# Allegro board reServer industrial J401 Carrier Board v11.brd (continued)
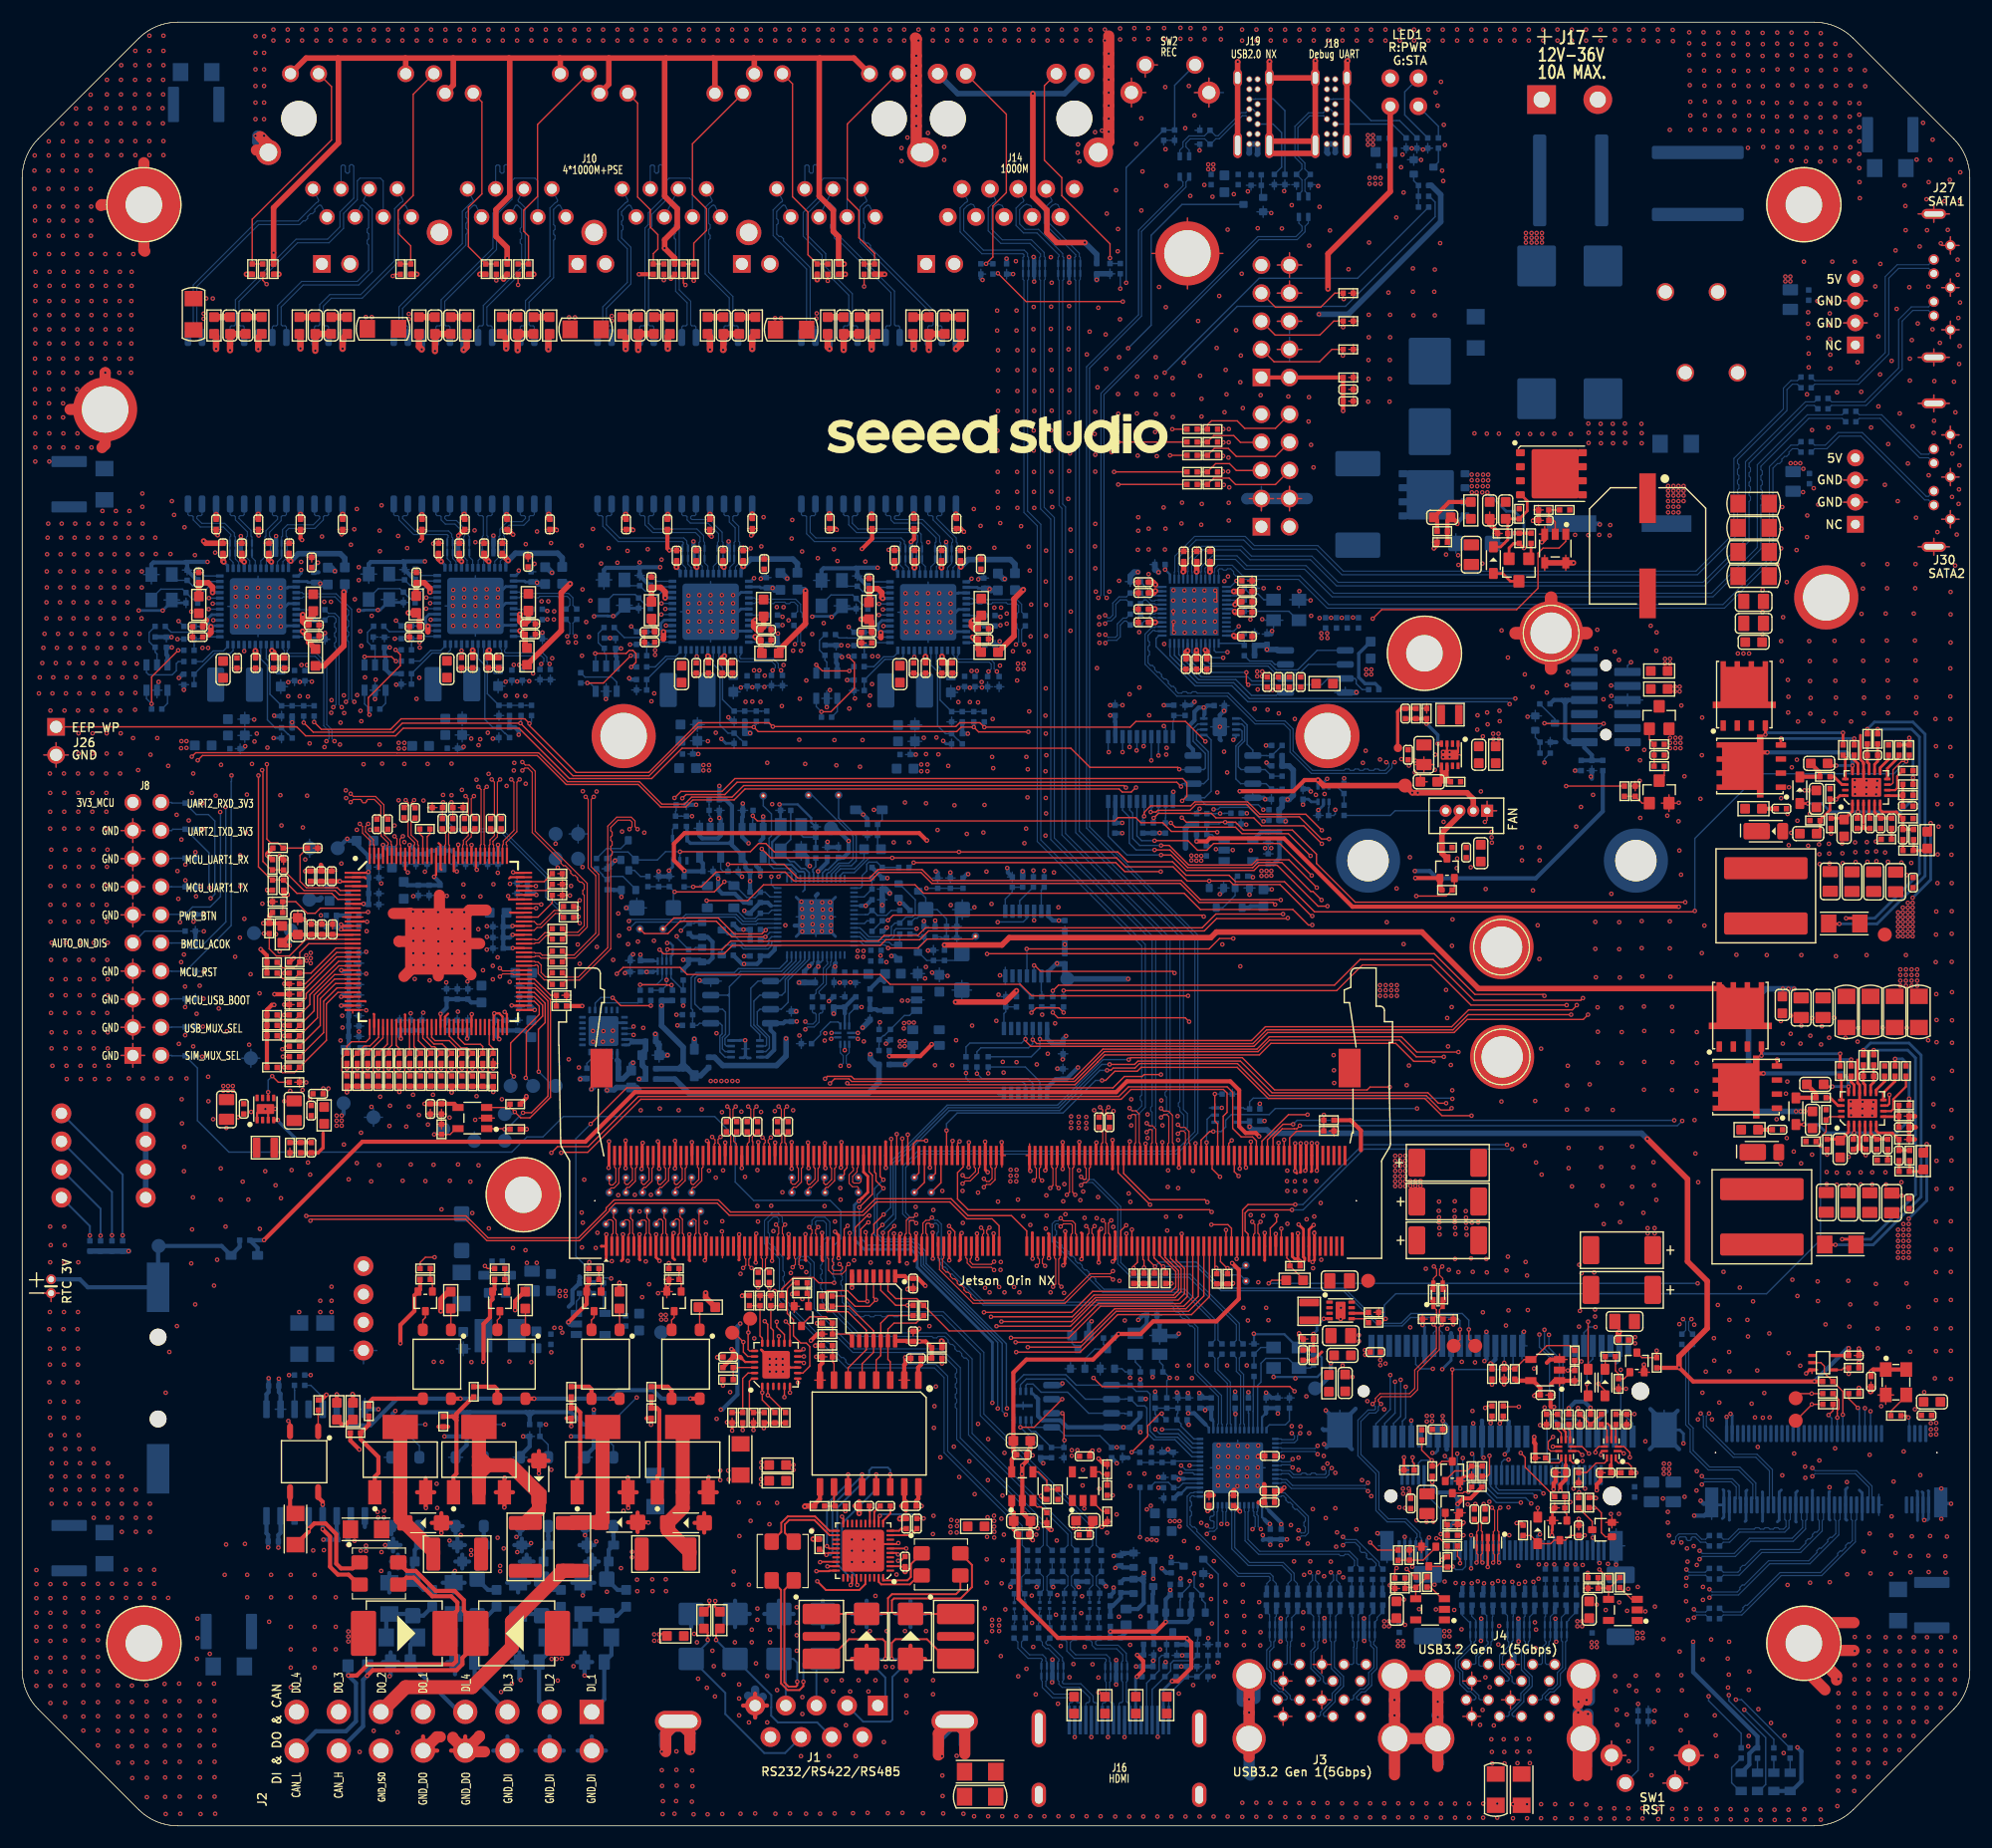
[diagram p0: board, top side]
## Routing (per net, layer and track width the routed paths; a pad name or vN(x,y) marks a point on that pad's centre or on a via; arc(x,y) is an arc through that point) (continued)
VDD_DCIN: length 129.9
  TOP w0.508: Q16.5 153.58,75.8 153.46,75.67 131.59,75.67 126.48,80.77 107.92,80.77 107.41,80.27 89.2,80.27 88.53,79.6 v1(83.35,79.6)
  LAY3 w0.508: v1(83.35,79.6) 83.26,79.69 81.43,79.69 78.73,76.99 64.43,76.99 57.48,83.94 v1(54.15,83.94)
  BOTTOM w0.381: v1(54.15,83.94) Q8.2 53.46,84.57 53.43,84.6 R123.2 ; R144.1 v1(83.35,79.6)
  BOTTOM w0.508: v1(160.11,75.64) v1(159.61,75.64) v1(159.1,75.64) 157.57,75.64 156,74.07 156,65.2 156.63,64.57 v1(160.29,64.57) v1(160.7,64.57) v1(161.1,64.57)
  vias: v1(148.73,121.08) v1(148.73,120.65) v1(148.73,120.22) v1(148.73,119.71) v1(148.73,119.2) v1(148.73,118.7) v1(149.22,121.08) v1(149.22,120.65) v1(149.22,120.22) v1(149.22,119.71) v1(149.22,119.2) v1(149.22,118.7) v1(149.67,121.08) v1(149.67,120.65) v1(149.67,120.22) v1(149.67,119.71) v1(149.67,119.2) v1(149.67,118.7) v1(150.13,121.08) v1(150.13,120.65) v1(150.13,120.22) v1(150.13,119.71) v1(155.03,105.95) v1(155.54,105.95) v1(156.05,105.95) v1(160.65,93.58) v1(161.05,93.58) v1(161.46,93.58) v1(169.71,77.4) v1(169.71,76.89) v1(169.71,76.38) v1(169.71,75.92) v1(170.22,77.4) v1(170.22,76.89) v1(170.22,76.38) v1(170.22,75.92) v1(170.73,77.4) v1(170.73,76.89) v1(170.73,76.38) v1(170.73,75.92) v1(171.24,77.4) v1(171.24,76.89) v1(171.24,76.38) v1(171.24,75.92)
VDD_DO: length 38
  TOP w0.381: Q34.4 v1(60.39,38.61) ; Q37.4 v1(39.61,38.61) ; R405.2 28.95,36.19 v1(29.2,36.19) 29.71,36.71 R404.2 ; Q35.4 v1(53.15,38.61) ; Q36.4 v1(46.26,38.61)
  BOTTOM w0.381: v1(60.39,38.61) 57.78,38.61 57.01,39.37 53.91,39.37 v1(53.15,38.61) v1(46.26,38.61) v1(39.61,38.61) 33.89,38.61 31.47,36.19 v1(29.2,36.19)
VDD_SIM: length 115.4
  TOP w0.381: v1(119.37,127.87) C285.1 C286.1 D90.2 J15.2 J15.1 ; R332.1 v1(141.72,37.78) ; R328.2 v1(139.76,37.74)
  LAY3 w0.381: v1(119.37,127.87) 122.7,124.54 122.7,117.08 130.34,109.43 130.34,95.46 126.98,92.1 126.98,63.55 139.13,51.41 139.13,38.33 139.72,37.74 v1(139.76,37.74)
  BOTTOM w0.381: v1(139.76,37.74) 140.35,38.33 141.17,38.33 v1(141.72,37.78)
VDD_TPM: length 13.3
  BOTTOM w0.381: 139.72,101.74 139.43,101.45 ; 139.72,101.74 139.44,101.74 ; 139.72,101.74 J11.7 ; 139.43,101.45 139.14,101.74 ; 139.43,101.45 139.43,98.23 139.73,97.93 J11.1 141.16,97.44 141.84,96.76 C146.2 ; 139.43,101.45 139.43,101.73 139.44,101.74 ; 139.44,101.74 139.14,101.74 ; R438.1 138.41,101.74 139.14,101.74 ; C146.2 R432.2 ; C146.2 R433.2
VDD_VBUS_A:
  vias: v1(141.83,16.59) v1(141.83,16.16) v1(142.28,16.59) v1(142.28,16.16) v1(145.97,17.45) v1(145.97,16.97) v1(146.42,17.45) v1(146.45,16.97)
VDD_VBUS_B:
  vias: v1(124.32,16.69) v1(124.32,16.26) v1(124.78,16.69) v1(124.78,16.26) v1(128.52,17.6) v1(128.51,17.15) v1(128.97,17.6) v1(128.97,17.12)
5V_RS232/422/485: length 89.3
  TOP w0.127: v1(69.7,32.62) 69.67,32.6 R304.2
  TOP w0.178: 79.86,23.42 79.78,23.42 ; 79.78,23.42 79.4,23.42 79.35,23.46 U42.2 ; 79.78,23.42 C205.2 79.79,23.42 79.79,23.34 ; U42.6 v1(79.89,25.06)
  TOP w0.381: R299.2 v1(74.39,28.44) ; U44.16 80.98,29.56 80.79,29.36 C215.1 v1(81.27,28.9)
  TOP w0.508: R390.1 v1(71.48,25.92) ; 79.79,23.34 v1(79.79,22.99)
  LAY3 w0.508: 68.98,28.32 64.43,28.32 63.16,29.59 16.02,29.59 9.62,35.99 v1(9.62,51.94)
  BOTTOM w0.508: R391.1 R392.1 R393.1 R394.1 v1(9.62,51.94)
  vias: v1(69.7,32.17)
422_RX(B): length 7.3
  TOP w0.178: L28.1 68.93,26.48 68.93,27.25 69.32,27.64 71.58,27.64 72.96,26.26 U42.22
422_RX-: length 19.3
  TOP w0.178: v1(70.04,13.03) 70.04,12.71 69.91,12.58 69.26,12.58 68.88,12.96 68.88,21.33 L28.4
  BOTTOM w0.178: v1(70.04,13.03) 70.04,14.74 69.69,15.09 D6.2 69,14.47 J1.4
422_TX(B): length 4.7
  TOP w0.178: L26.2 81.02,22.63 80.21,21.82 77.62,21.82 77.4,22.05 U42.39
422_TX-: length 15.5
  TOP w0.178: L26.3 84.78,21.33 84.39,20.94 78.6,20.94 78.24,20.58 78.24,19.33 78.07,19.15 D9.2 72.23,19.15 TBU2.1
1302_RST: length 9.5
  TOP w0.127: R315.1 140.28,42.98 139.86,43.4 137.77,43.4 136.52,42.14 U53.4 135.73,42.14 R325.2 C218.1 133.92,41.31 v1(133.92,41.84)
  BOTTOM w0.127: J5.22 v1(133.92,41.84)
ADC0: length 8.9
  BOTTOM w0.127: D33.2 82.68,82.8 83.54,81.95 R133.1 83.54,80.71 83.53,80.71 C96.1 83.09,80.26 83.02,80.33 R138.2 ; D33.2 80.88,82.03 80.67,82.03 R132.2 ; D33.2 81.65,83.86 81.04,84.47 Q9.3
ADC2: length 7.5
  BOTTOM w0.127: D38.2 84.29,78.2 R144.2 R145.1 81.75,78.2 81.01,78.94 ; 81.01,78.94 81.01,79.42 81.49,79.9 C94.1 81.05,80.34 80.79,80.59 R139.2 ; 81.01,78.94 Q14.3
AUTO_ON_DIS: length 5.2
  BOTTOM w0.127: R397.2 11.08,80.86 J8.9
BBAT: length 113.3
  TOP w0.254: v1(113.28,53.49) J9.235
  TOP w0.381: v1(111.78,62.31) 111.47,62.62 110.56,62.62 109.97,63.21 109.97,66.48 109.17,67.28 99.84,67.28 98.86,66.31 55.37,66.31 50.89,61.83 30.75,61.83 v1(21.86,52.94)
  LAY3 w0.381: v1(111.78,62.31) 111.78,61.62 112.79,60.61 112.79,53.98 v1(113.28,53.49)
  BOTTOM w0.381: D87.2 21.28,52.23 R367.1 21.84,52.92 v1(21.86,52.94)
BBAT_CONN: length 22.3
  BOTTOM w0.381: R367.2 19.66,52.33 D87.1 18.03,52.4 TP48.1 12.29,52.35 J22.2 5.94,48.67 5.22,49.39 J12.2
BG1: length 1.7
  TOP w0.254: R196.1 165.55,96.33 165.89,95.99 U31.15
BG2: length 1.6
  TOP w0.254: U25.15 165.54,66.97 165.27,67.24 R150.1
BG_DC1: length 7.8
  TOP w0.254: v1(158.95,98.26) 158.95,98.22 158.92,98.2 Q43.4 ; R196.2 v1(165.55,98.26)
  BOTTOM w0.254: v1(158.95,98.26) v1(165.55,98.26)
BG_DC2: length 7.8
  TOP w0.254: v1(165.27,69.25) R150.2 ; Q12.4 158.57,69.2 158.59,69.22 v1(158.59,69.25)
  BOTTOM w0.254: v1(158.59,69.25) v1(165.27,69.25)
BMCU_ACOK: length 74
  LAY3 w0.127: v1(60.53,91.24) 59.7,92.08 v1(18.38,92.08)
  LAY4 w0.127: v1(67.7,85.78) 67.7,86.78 67.56,86.92 65.55,86.92 61.23,91.24 v1(60.53,91.24)
  BOTTOM w0.127: C72.1 59.1,91.74 59.04,91.69 R96.1 59.58,91.25 59.58,91.24 R97.2 v1(60.53,91.24) ; v1(18.38,92.08) 18.41,92.05 18.41,81.69 15.99,79.28 15.22,79.28 14.73,79.76 D27.2 13.5,79.78 13.5,79.78 J8.10 ; U23.14 68.01,84.75 67.7,85.06 v1(67.7,85.78)
BMCU_PGOOD: length 6.1
  BOTTOM w0.127: R110.1 R111.2 77.24,87.1 76.51,87.1 76.32,86.91 76.32,86.3 75.9,85.88 75.9,84.91 75.74,84.75 U23.29
BMCU_POWER_EN: length 13.9
  LAY4 w0.127: v1(68.34,85.78) 68.64,86.07 68.64,87.14 68.37,87.4 65.71,87.4 v1(62.21,90.91)
  BOTTOM w0.127: R87.2 62.08,92.3 62.08,92.29 R91.1 62.08,91.33 62.21,91.2 v1(62.21,90.91) 62.21,90.6 62.17,90.56 U19.2 ; v1(68.34,85.78) 68.34,85.82 68.66,86.14 69.39,86.14 69.52,86.01 U23.16
BMCU_PWR_BTN*: length 4.7
  BOTTOM w0.127: D31.1 64.37,82.96 65.33,81.99 66.22,81.99 R130.2 67.45,82.47 67.73,82.75 U23.9
BRD_ID_A0: length 7.3
  BOTTOM w0.127: 112.92,96.71 R83.1 ; R83.1 113.28,97.08 113.3,97.08 R82.2 ; R83.1 112.47,96.71 112.46,96.72 U16.1 111.21,97.21 110.69,97.73 110.69,99.49 110.11,100.07 U15.1
BRD_ID_A1: length 9
  BOTTOM w0.127: U15.2 110.22,99.57 110.46,99.32 110.46,98.04 109.9,97.49 109.9,95.7 110.15,95.45 U16.2 112.32,95.45 R85.1 R84.2
BRD_ID_A2: length 9.7
  BOTTOM w0.127: R89.2 113.41,93.68 113.39,93.7 R88.1 112.4,94.18 U16.3 110.1,94.18 109.67,94.61 109.67,97.58 110.23,98.14 110.23,98.93 110.09,99.07 U15.3
BRD_ID_WP: length 121.4
  TOP w0.127: v1(104.56,95.48) 104.56,95.53 104.44,95.66 96.49,95.66 94.76,97.39 59.63,97.39 56.89,94.64 49.45,94.64 44.9,99.19 34.43,99.19 33.75,98.5 25.62,98.5 24.81,99.32 J26.1
  LAY4 w0.127: v1(104.56,95.48) 104.59,95.45 104.9,95.45 108.25,92.1 v1(108.25,91.48)
  BOTTOM w0.127: R98.1 107.5,91.47 107.51,91.47 107.84,91.47 107.86,91.48 v1(108.25,91.48) 108.65,91.48 108.67,91.51 R437.2 ; U15.7 106.23,99.57 105.81,99.15 105.81,98.01 106.92,96.91 106.92,95.6 106.77,95.45 U16.7 104.59,95.45 v1(104.56,95.48)
BST1: length 1.7
  TOP w0.254: U31.18 164.44,94.1 163.73,94.81 R191.1
BST2: length 1.7
  TOP w0.254: U25.18 164.09,65.09 163.38,65.8 R147.1
BT_EN: length 2.1
  TOP w0.127: Q25.1 128.6,27.39 R297.1 R296.2
BUCK_3V3_EN: length 155.3
  TOP w0.127: v1(123.21,45.82) 122.86,45.47 R77.1 ; v1(162.5,61.47) 162.13,61.84 R148.1 163.01,62.74 R141.2 163.31,64.09 U25.20 ; v1(116.58,82.22) 116.5,82.22 113.66,85.07 109.44,85.07 109.12,85.39 v1(107.27,85.39) 105.28,85.39 104,86.67 99.71,86.67 98.9,87.48 v1(78.62,87.48) 67.65,87.48 v1(66.83,88.29)
  LAY3 w0.127: v1(123.21,45.82) 123.08,45.95 123.08,55.81 120.59,58.3 120.59,69.9 117.14,73.36 117.14,81.54 116.58,82.1 v1(116.58,82.22)
  BOTTOM w0.127: v1(162.5,61.47) 162.5,52.96 157.62,48.08 124.12,48.08 123.08,47.04 123.08,45.95 v1(123.21,45.82) ; Q11.1 v1(107.27,85.39) ; U20.4 66.96,87.96 66.83,88.09 v1(66.83,88.29) ; v1(78.62,87.48) 76.54,87.48 75.2,86.14 74.18,86.14 73.92,85.88 U23.27
BUCK_3V3_PG: length 233.8
  TOP w0.127: v1(80.56,87.05) 98.82,87.05 99.64,86.24 v1(102.89,86.24) ; v1(104.79,91.11) 105.2,90.7 v1(108.71,90.7) 109.65,90.7 110.35,89.99 114.77,89.99 116.96,87.81 116.96,86.97 120.46,83.47 v1(150.28,83.47) ; v1(51.37,63.43) 54.63,66.69 98.57,66.69 99.6,67.72 101.2,67.72 101.38,67.89 v1(102.91,67.89)
  TOP w0.203: v1(168.72,66.07) 168.72,65.26 168.56,65.09 U25.9
  LAY3 w0.127: v1(150.28,83.47) 150.28,75.87 158.21,67.95 166.84,67.95 v1(168.72,66.07) ; v1(100.12,40.5) 100.12,45.87 102.74,48.49 102.74,61.19 102.34,61.58 102.34,67.33 v1(102.91,67.89) 102.91,86.22 v1(102.89,86.24) 102.89,86.44 104.06,87.61 104.06,90.37 v1(104.79,91.11)
  BOTTOM w0.127: v1(100.12,40.5) R76.1 99.68,41.02 99.39,41.31 Q54.1 ; U22.3 107.97,89.13 107.52,89.58 R104.2 107.05,90.1 107.05,90.11 R102.2 108.16,90.55 108.32,90.7 v1(108.71,90.7) 108.86,90.55 R101.1 ; R110.2 80.14,86.63 v1(80.56,87.05) ; R63.1 51.09,48.61 51.09,50.43 50.04,51.48 50.04,62.1 v1(51.37,63.43)
BUCK_5V_PG: length 158.6
  TOP w0.127: R192.2 170.53,96.47 v1(170.25,96.19) 169.82,96.19 169.05,95.43 169.05,94.26 168.89,94.1 U31.9 ; v1(59.44,88.04) 65.8,88.04 66.54,88.78 67.2,88.78 67.96,88.01 v1(84.65,88.01) 99,88.01 99.89,87.12 103.95,87.12 105.17,85.91 109.06,85.91 109.64,85.32 114.06,85.32 116.78,82.6 151.07,82.6 v1(151.15,82.68)
  LAY3 w0.127: v1(77.5,72.62) 78.83,73.94 84.83,73.94 85.41,74.53 85.41,84.84 84.65,85.6 v1(84.65,88.01)
  BOTTOM w0.127: v1(151.15,82.68) 151.15,89.23 156.99,95.07 169.13,95.07 v1(170.25,96.19) ; R177.1 77.44,72.56 v1(77.5,72.62) ; U21.2 59.43,87.77 59.44,87.78 v1(59.44,88.04) 58.15,88.04 57.4,87.29 Q7.1 55.41,87.35 54.76,88 53.42,88 R109.1
CAM_I2C_SCL: length 5.7
  TOP w0.127: J9.213 107.78,50.55 v1(107.91,50.42) 107.95,50.38 R361.2
  BOTTOM w0.127: v1(107.91,50.42) 108.54,49.79 110.06,49.79 110.59,49.26 TP54.1
CAM_I2C_SDA: length 4.5
  TOP w0.127: J9.215 108.28,51 108.88,50.4 v1(108.92,50.4) R362.2
  BOTTOM w0.127: v1(108.92,50.4) 110.32,50.4 TP59.1
CAN_120R_EN: length 52.3
  TOP w0.127: U51.10 70.55,41.92 v1(70.63,41.83) ; Q27.2 24.21,36.43 v1(24.05,36.59)
  LAY3 w0.127: v1(24.05,36.59) 25.09,36.59 25.96,35.72 46.01,35.72 48.46,38.17 69.03,38.17 70.63,39.77 v1(70.63,41.83)
CAN_H: length 11.4
  TOP w0.381: R290.1 24.71,25.41 25.89,26.59 v1(25.89,26.82) 26.4,27.33 27.42,27.33 28.38,26.36 28.38,23.7 28.81,23.27 29.85,23.27 30.39,23.81 L27.1
  BOTTOM w0.381: v1(25.89,26.82) U7.13
CAN_H_ISO: length 31.9
  TOP w0.381: L27.4 34.76,23.04 35.57,23.04 37.37,21.23 39.08,21.23 39.91,20.39 39.91,19.46 41.01,18.36 D95.2 41.01,16.41 39.79,15.19 39.79,14.6 39.25,14.07 31.68,14.07 v1(31.18,13.56)
  BOTTOM w0.381: J2.14 30.81,9 30.81,13.19 v1(31.18,13.56) 31.23,13.61 D2.1
CAN_L: length 10.5
  TOP w0.381: v1(27.16,29.03) 27.16,29.28 26.75,29.69 Q27.4 ; L27.2 30.39,21.81 29.49,22.71 28.53,22.71 27.82,23.42 27.82,26.14 v1(27.16,26.81)
  BOTTOM w0.381: v1(27.16,29.03) U7.12 v1(27.16,26.81)
CAN_L_ISO: length 34.8
  TOP w0.381: L27.3 34.09,21.81 34.71,22.43 35.39,22.43 37.07,20.75 38.77,20.75 39.33,20.19 39.33,19.48 38.21,18.36 D68.2 38.21,16.41 39.21,15.41 39.21,14.87 38.94,14.6 31.25,14.6 30.24,13.59 v1(29.47,13.59)
  BOTTOM w0.381: D2.2 29.45,13.61 v1(29.47,13.59) 30.17,12.9 30.17,9.45 29.26,8.55 26.55,8.55 J2.16
CAN_RX: length 82.7
  TOP w0.127: v1(26.05,54.69) 26.18,54.82 40.07,54.82 42,52.88 50.36,52.88 53.06,55.58 53.06,55.73 53.61,56.27 62.81,56.27 63.89,55.18 76.01,55.18 77.21,56.38 83.83,56.38 85.35,54.86 87.65,54.86 88.28,54.23 J9.143
  LAY3 w0.127: v1(26.05,54.69) 26.07,54.67 v1(26.07,40.74)
  BOTTOM w0.127: R50.1 26.07,40.74 v1(26.07,40.74)
CAN_RXD: length 3.2
  BOTTOM w0.127: U7.5 27.16,38.74 26.09,39.81 R50.2
CAN_TX: length 87.1
  TOP w0.127: J9.145 90.78,53.75 89.39,55.15 85.47,55.15 83.95,56.67 77.09,56.67 75.89,55.47 64.02,55.47 62.93,56.56 53.49,56.56 52.77,55.85 52.77,55.65 50.26,53.13 42.1,53.13 40.12,55.12 v1(25.67,55.12)
  LAY3 w0.127: v1(25.67,55.12) 25.66,55.1 25.66,41.33 25.06,40.74 v1(24.12,40.74)
  BOTTOM w0.127: R51.1 v1(24.12,40.74)
CAN_TXD: length 2.2
  BOTTOM w0.127: R51.2 24.61,39.37 24.62,39.36 U7.3
CC1_1: length 9.4
  BOTTOM w0.127: R276.1 114.1,155 113.05,156.05 111.45,156.05 111.43,156.04 J19.A5
CC1_2: length 9.6
  BOTTOM w0.127: R274.1 124.47,154.1 124.22,154.1 121.89,154.1 119.94,156.05 118.46,156.05 118.45,156.04 J18.A5
CC2_1: length 6.5
  BOTTOM w0.127: R277.1 113.81,149.9 113.81,153.01 113.03,153.79 J19.B5
CC2_2: length 6.9
  BOTTOM w0.127: J18.B5 123.81,153.79 R275.1
CCM/AAM_DC1: length 3.4
  TOP w0.254: U31.7 169.89,93.1 R188.1 ; R187.2 R188.1 ; R188.1 C135.1
CCM/AAM_DC2: length 3.4
  TOP w0.254: R178.1 C134.1 ; R178.1 169.54,64.09 U25.7 ; R178.1 R179.2
CLKBUF_FD: length 5
  TOP w0.127: R483.2 42.1,68.21 42.1,69.36 R484.1 42.56,70.26 42.21,70.61 U63.60
CLKQ0_N: length 20.6
  TOP w0.107: C396.1 37.98,91.58 37.99,91.59 R531.1 37.99,92.45 v1(38.04,92.5) ; R520.1 50.21,82.09 v1(50.28,82.16)
  BOTTOM w0.107: v1(50.28,82.16) 50.04,82.41 48.83,82.41 47.31,83.92 47.31,85.75 43.24,89.83 39,89.83 38.28,90.54 38.28,92.26 v1(38.04,92.5)
CLKQ0_P: length 20.4
  TOP w0.107: v1(50.28,82.92) 50.28,82.97 50.17,83.08 R521.1 ; v1(38.8,92.5) 38.93,92.37 R530.1 38.93,91.59 38.92,91.58 C395.1
  BOTTOM w0.107: v1(50.28,82.92) 50.04,82.68 48.94,82.68 48.72,82.89 48.72,83.07 48.51,83.29 48.33,83.29 47.58,84.04 47.58,84.34 47.71,84.47 47.71,84.77 47.58,84.9 47.58,85.86 43.35,90.1 39.11,90.1 38.55,90.65 38.55,92.26 v1(38.8,92.5)
COMP_DC1: length 2.6
  TOP w0.254: C125.1 C126.1 167.39,91.6 U31.5
COMP_DC2: length 2.6
  TOP w0.254: U25.5 167.04,62.6 C119.1 C123.1
CP2102_VIO: length 13
  LAY3 w0.508: v1(55.75,67.48) v1(50.43,67.48)
  BOTTOM w0.254: U54.5 54.97,71.07 55.15,70.89 54.83,70.57 U54.6
  BOTTOM w0.508: v1(55.75,67.48) R422.1 R420.1 56.04,68.73 C294.1 56.17,69.78 56.17,69.95 56.34,70.12 C295.1 56.31,70.86 55.17,70.86 55.15,70.89 ; R421.1 50.48,67.54 v1(50.43,67.48)
CSI0_CLK_N: length 3.7
  TOP w0.107: TP18.1 54.44,58.47 54.44,58.1 54.57,57.97 54.74,57.97 55.15,58.37 55.15,59.41 55.03,59.53 J9.10
CSI0_CLK_P: length 3.9
  TOP w0.107: J9.12 55.53,59.53 55.42,59.41 55.42,58.26 54.85,57.7 54.66,57.7 54.56,57.59 TP12.1
CSI0_D0_N: length 3.7
  TOP w0.107: TP9.1 53.06,58.03 53.17,57.91 53.37,57.91 53.65,58.19 53.65,59.41 53.53,59.53 J9.4
CSI0_D0_P: length 3.9
  TOP w0.107: J9.6 54.03,59.53 53.92,59.41 53.92,58.07 53.49,57.65 53.22,57.65 53.06,57.48 TP8.1
CSI0_D1_N: length 3.7
  TOP w0.107: J9.16 56.53,59.53 56.65,59.41 56.65,58.37 56.24,57.97 56.1,57.97 55.97,58.1 55.97,58.49 TP11.1
CSI0_D1_P: length 3.8
  TOP w0.107: TP10.1 56.06,57.56 56.19,57.7 56.35,57.7 56.92,58.26 56.92,59.41 57.03,59.53 J9.18
CSI1_CLK_N: length 3.2
  TOP w0.107: TP42.1 54.31,54.58 54.49,54.76 54.75,54.76 54.9,54.62 54.9,53.55 54.78,53.44 J9.9
CSI1_CLK_P: length 3.3
  TOP w0.107: J9.11 55.28,53.44 55.17,53.55 55.17,54.73 54.98,54.92 54.98,55.56 TP27.1
CSI1_D0_N: length 3.2
  TOP w0.107: TP41.1 52.76,54.54 52.98,54.76 53.24,54.76 53.4,54.61 53.4,53.55 53.28,53.44 J9.3
CSI1_D0_P: length 3.4
  TOP w0.107: TP26.1 53.43,55.51 53.43,54.96 53.67,54.73 53.67,53.55 53.78,53.44 J9.5
CSI1_D1_N: length 3.2
  TOP w0.107: TP43.1 55.81,54.57 55.97,54.74 56.28,54.74 56.4,54.62 56.4,53.55 56.28,53.44 J9.15
CSI1_D1_P: length 3.4
  TOP w0.107: J9.17 56.78,53.44 56.67,53.55 56.67,54.73 56.46,54.94 56.46,55.53 TP28.1
CSI2_CLK_N: length 3.7
  TOP w0.107: TP33.1 58.94,58.51 58.94,58.07 59.04,57.97 59.19,57.97 59.65,58.42 59.65,59.41 59.53,59.53 J9.28
CSI2_CLK_P: length 3.9
  TOP w0.107: TP32.1 59.01,57.59 59.11,57.7 59.3,57.7 59.92,58.31 59.92,59.41 60.03,59.53 J9.30
CSI2_D0_N: length 3.7
  TOP w0.107: TP20.1 57.44,58.51 57.44,58.07 57.54,57.97 57.69,57.97 58.15,58.42 58.15,59.41 58.03,59.53 J9.22
CSI2_D0_P: length 3.9
  TOP w0.107: J9.24 58.53,59.53 58.42,59.41 58.42,58.31 57.8,57.7 57.64,57.7 57.51,57.56 TP19.1
CSI2_D1_N: length 3.7
  TOP w0.107: TP22.1 60.44,58.51 60.44,58.07 60.54,57.97 60.69,57.97 61.15,58.42 61.15,59.41 61.03,59.53 J9.34
CSI2_D1_P: length 3.9
  TOP w0.107: TP21.1 60.51,57.59 60.61,57.7 60.8,57.7 61.42,58.31 61.42,59.41 61.53,59.53 61.53,60.4 J9.36
CSI3_CLK_N: length 3.3
  TOP w0.107: TP45.1 58.86,54.62 59.07,54.84 59.26,54.84 59.4,54.71 59.4,53.55 59.28,53.44 J9.27
CSI3_CLK_P: length 3.4
  TOP w0.107: TP30.1 59.45,55.43 59.45,55.03 59.67,54.82 59.67,53.55 59.78,53.44 J9.29
CSI3_D0_N: length 3.3
  TOP w0.107: TP44.1 57.31,54.57 57.55,54.82 57.75,54.82 57.9,54.67 57.9,53.55 57.78,53.44 J9.21
CSI3_D0_P: length 3.3
  TOP w0.107: J9.23 58.28,53.44 58.17,53.55 58.17,54.78 58.01,54.94 58.01,55.53 TP29.1
CSI3_D1_N: length 3.2
  TOP w0.107: J9.33 60.78,53.44 60.9,53.55 60.9,54.69 60.72,54.83 60.57,54.81 60.43,54.63 TP36.1
CSI3_D1_P: length 3.2
  TOP w0.107: TP31.1 61.17,55.35 61.17,53.55 61.28,53.44 J9.35
CSI5_CLK_N: length 3.7
  TOP w0.107: J9.76 71.53,59.53 71.65,59.41 71.65,58.42 71.19,57.97 71.04,57.97 70.93,58.07 70.93,58.51 TP14.1
CSI5_CLK_P: length 3.9
  TOP w0.107: J9.78 72.03,59.53 71.92,59.41 71.92,58.31 71.3,57.7 71.13,57.7 71.01,57.57 TP24.1
CSI5_D0_N: length 3.7
  TOP w0.107: J9.70 70.03,59.53 70.15,59.41 70.15,58.3 69.83,57.98 69.62,57.98 69.46,58.14 69.46,58.49 TP13.1
CSI5_D0_P: length 3.9
  TOP w0.107: J9.72 70.53,59.53 70.42,59.41 70.42,58.18 69.94,57.71 69.7,57.71 69.56,57.56 TP23.1
CSI5_D1_N: length 3.7
  TOP w0.107: J9.82 73.03,59.53 73.15,59.41 73.15,58.41 72.7,57.97 72.56,57.96 72.44,58.08 72.42,58.49 TP15.1
CSI5_D1_P: length 3.9
  TOP w0.107: J9.84 73.53,59.53 73.42,59.41 73.42,58.3 72.81,57.7 72.65,57.7 72.54,57.58 TP25.1
DCIN_SENSE: length 3.7
  TOP w0.127: U49.2 138.53,117.83 138.4,117.97 C249.1 137.96,118.47 137.95,118.47 R378.1 R377.2
DCJ_IN:
  vias: v1(135.88,143.94) v1(135.88,143.51) v1(135.88,143.08) v1(136.39,143.94) v1(136.39,143.51) v1(136.39,143.08) v1(136.85,143.94) v1(136.85,143.51) v1(136.85,143.08) v1(137.33,143.94) v1(137.33,143.51) v1(137.33,143.08)
DEVICE_RESET: length 193.5
  TOP w0.127: D67.2 v1(136.95,28.73) ; v1(106.93,98) 105.11,99.81 100.64,99.81 100.12,99.29 v1(86.94,99.29) 86.54,99.69 84.72,99.69 84.37,99.34 v1(67.84,99.34) 67.49,99.69 61.12,99.69 56.63,95.2 50.06,95.2 45.84,99.42 v1(45.84,99.62) 45.42,100.04 34.24,100.04 33.29,99.09 27.04,99.09 v1(26.38,99.75)
  LAY3 w0.127: v1(136.95,28.73) 135.34,28.73 131.64,32.43 121.04,32.43 114.76,38.71 108.25,38.71 105.91,41.05 104.26,41.05 v1(103.7,40.49) 103.7,46.53 106.19,49.02 106.19,59.66 105.57,60.28 105.57,64.52 104.29,65.8 104.29,76.18 104.72,76.61 104.72,89.82 105.68,90.78 105.68,96.75 v1(106.93,98)
  BOTTOM w0.127: R547.1 46.03,99.81 v1(45.84,99.62) ; R210.1 26.38,100.29 v1(26.38,99.75) ; U13.2 102.79,41.92 103.08,41.63 R73.2 103.17,41.02 v1(103.7,40.49) 103.44,40.23 R53.1 ; v1(67.84,99.34) 67.78,99.34 67.32,99.81 R572.1 ; R596.1 v1(86.94,99.29)
DI_1_GPIO01: length 53.9
  TOP w0.127: v1(82.03,59.49) J9.118
  LAY3 w0.127: v1(55.53,38.71) 55.38,38.86 55.38,55.97 56.44,57.03 v1(56.82,57.03)
  LAY4 w0.127: v1(56.82,57.03) 56.98,56.87 67.32,56.87 69.44,58.98 81.48,58.98 81.98,59.49 v1(82.03,59.49)
  BOTTOM w0.127: v1(55.53,38.71) 53.1,36.27 R47.2 C24.1 53.42,34.35 Q5.4
DI_2_GPIO09: length 73.1
  TOP w0.127: v1(89.82,42.81) 95.61,42.81 99,46.2 105.67,46.2 107.28,47.81 J9.211
  LAY3 w0.127: v1(89.82,42.81) 74.05,42.81 68.44,37.21 48.28,37.21 47.35,36.27 v1(47.33,36.27)
  BOTTOM w0.127: Q4.4 47.53,34.45 C23.1 R46.2 v1(47.33,36.27)
DI_3_GPIO11: length 102.6
  TOP w0.127: v1(48.71,60.82) 48.76,60.87 51.11,60.87 55.9,65.66 99.31,65.66 100.19,66.55 108.55,66.55 108.88,66.23 108.88,64.48 108.53,64.13 J9.216
  LAY3 w0.127: v1(48.71,60.82) 48.71,59.88 49.49,59.11 49.49,54.43 47.44,52.38 47.44,38.22 45.49,36.27 v1(43.52,36.27)
  BOTTOM w0.127: v1(43.52,36.27) R45.2 C22.1 41.71,34.57 Q3.4
DI_4_GPIO13: length 111.6
  TOP w0.127: J9.228 111.53,61.91 111.18,62.26 110.15,62.26 109.39,63.03 109.39,66.29 108.89,66.78 99.97,66.78 99.1,65.92 55.69,65.92 51.15,61.38 48.38,61.38 v1(47.82,60.82)
  LAY3 w0.127: v1(47.82,60.82) 47.82,60.38 49.21,58.99 49.21,54.55 47.16,52.5 47.16,38.33 45.61,36.78 36.94,36.78 v1(36.43,36.27)
  BOTTOM w0.127: Q2.4 35.9,34.35 C21.1 R44.2 v1(36.43,36.27)
DI_12V_1: length 7.5
  BOTTOM w0.381: J2.1 52.6,11.43 R9.1 53.25,15.45 R14.1
DI_12V_2: length 7.4
  BOTTOM w0.381: R13.1 47.36,15.45 R8.1 46.71,11.25 J2.3
DI_12V_3: length 8.2
  BOTTOM w0.381: R12.1 40.89,16.38 R7.1 40.89,13.26 J2.5
DI_12V_4: length 9.4
  BOTTOM w0.381: J2.7 39.47,10.3 35.07,14.7 R6.1 35.07,16.38 R11.1
DISCHG_1V8: length 4.4
  BOTTOM w0.127: Q56.1 96.03,42.2 96.93,43.09 Q54.3 98.08,43.15 97.71,43.52 R555.2
DISCHG_3V3_SYS: length 4
  BOTTOM w0.127: R124.2 109.61,85.61 Q10.1 109.61,84.08 108.51,82.98 Q11.3
DO_1_GPIO: length 55.1
  TOP w0.127: R354.1 v1(58.44,50.85) ; J9.193 102.78,51.56 104.25,50.09 104.25,48.7 103.85,48.31 96.73,48.31 94.84,46.41 v1(86.91,46.41)
  LAY4 w0.127: v1(58.44,50.85) 60.51,52.93 80,52.93 86.51,46.41 v1(86.91,46.41)
DO_2_GPIO: length 63.2
  TOP w0.127: v1(87.55,46) 94.89,46 96.85,47.97 104.04,47.97 104.5,48.42 104.5,50.17 103.28,51.38 J9.195 ; v1(51.25,50.95) 51.2,50.9 R355.1
  LAY4 w0.127: v1(87.55,46) 86.6,46 79.9,52.7 60.9,52.7 58.64,50.43 51.76,50.43 v1(51.25,50.95)
DO_3_GPIO: length 73.4
  TOP w0.127: J9.197 103.78,51.28 104.72,50.34 104.72,48.29 104.18,47.74 96.98,47.74 94.82,45.57 v1(88.49,45.57) ; v1(41.82,50.6) 42.05,50.37 R356.1
  LAY4 w0.127: v1(88.49,45.57) 86.65,45.57 79.8,52.43 60.96,52.43 58.73,50.2 42.21,50.2 v1(41.82,50.6)
DO_4_GPIO: length 80.1
  TOP w0.127: v1(88.05,45.15) 94.72,45.15 97.08,47.51 104.45,47.51 105.03,48.09 105.03,50.37 104.28,51.13 J9.199 ; R357.1 35.96,50.91 36.43,51.38 v1(37.27,51.38)
  LAY4 w0.127: v1(37.27,51.38) 38.68,49.97 58.82,49.97 61.05,52.2 79.67,52.2 86.72,45.15 v1(88.05,45.15)
DO_40V_1: length 25.6
  PWR02 w1.27: v1(55.11,24.27) 55.11,24.27 v1(55.11,24.77) 54.62,24.27 49.74,24.27 36.23,10.76 J2.9
DO_40V_2: length 23.9
  TOP w1.27: F3.2 48.85,23.05 44.26,18.46 44.26,16.15 40.64,12.54 34.66,12.54 J2.11
DO_40V_3: length 21.9
  PWR02 w1.27: J2.13 30.9,12.59 35.46,12.59 43.19,20.32 v1(43.19,23.01) v1(43.19,23.49)
DO_40V_4: length 24.5
  PWR02 w1.27: v1(40.57,24.92) v1(40.57,24.48) 40.57,20.42 35.11,14.96 29.46,14.96 J2.15
DPCIE1_REFCLK1_N: length 36.8
  TOP w0.107: v1(45.2,96.13) 45.46,95.87 45.81,95.87 46.36,95.31 46.36,89.88 51.06,85.18 51.06,81.22 50.32,80.48 49.17,80.48 R522.1
  LAY4 w0.084: v1(46.9,105) 47.16,104.74 47.16,104.33 46.36,103.53 46.36,96.39 45.85,95.87 45.46,95.87 v1(45.2,96.13)
  BOTTOM w0.107: R533.1 46.79,104.89 46.9,105 v1(46.9,105) 47.15,105.24 47.15,105.5 46.92,105.73 43.59,105.73 43.32,106 43.32,106.27 43.21,106.39 U30.26
DPCIE1_REFCLK1_P: length 36.7
  TOP w0.107: v1(45.2,95.37) 45.42,95.6 45.7,95.6 46.09,95.2 46.09,89.77 48.7,87.16 48.7,86.98 48.91,86.77 49.09,86.77 49.57,86.29 49.57,86.11 49.79,85.89 49.97,85.89 50.18,85.68 50.18,85.5 50.4,85.28 50.58,85.28 50.79,85.07 50.79,84.65 50.66,84.52 50.66,84.22 50.79,84.09 50.79,81.33 50.21,80.75 49.14,80.75 R524.1
  LAY4 w0.084: v1(47.66,105) 47.4,104.74 47.4,104.23 46.6,103.43 46.6,96.29 45.95,95.63 45.46,95.63 v1(45.2,95.37)
  BOTTOM w0.107: U30.25 43.71,106.39 43.59,106.27 43.59,106.11 43.7,106 47.03,106 47.42,105.61 47.42,105.24 v1(47.66,105) 47.73,104.93 R532.1
DPCIE1_REFCLK2_N: length 49.7
  TOP w0.107: v1(51.65,92.99) 51.42,92.76 51.42,86.68 52.1,85.99 52.1,80.56 49.97,78.42 49.17,78.42 R525.1
  LAY4 w0.084: v1(51.65,92.99) 51.4,93.24 51.4,100.23 52.36,101.19 55.12,101.19 58.98,105.05 64.35,105.05 64.48,104.92 64.78,104.92 64.91,105.05 65.22,105.05 65.34,104.92 65.65,104.92 65.78,105.05 66.08,105.05 66.21,104.92 66.51,104.92 66.64,105.05 67.83,105.05 68.08,104.8 68.08,104.68 v1(67.81,104.42)
  BOTTOM w0.107: U48.26 64.46,105.86 64.58,105.75 64.58,105.47 64.84,105.21 67.76,105.21 68.06,104.91 68.06,104.67 v1(67.81,104.42) 67.71,104.32 R535.1
DPCIE1_REFCLK2_P: length 49.7
  TOP w0.107: R526.1 49.17,78.69 49.86,78.69 51.83,80.67 51.83,85.88 51.15,86.56 51.15,92.76 v1(50.92,92.99)
  LAY4 w0.084: v1(68.57,104.42) 68.31,104.68 68.31,104.9 67.92,105.29 58.88,105.29 55.02,101.42 52.26,101.42 51.17,100.33 51.17,93.24 v1(50.92,92.99)
  BOTTOM w0.107: U48.25 64.96,105.86 64.85,105.75 64.85,105.58 64.95,105.48 67.87,105.48 68.33,105.02 68.33,104.67 v1(68.57,104.42) 68.59,104.42 68.7,104.32 R534.1
DPCIE1_REFCLK3_N: length 66.3
  TOP w0.107: R527.1 49.21,76.43 50.36,76.43 53.19,79.25 53.19,87.64 53.31,87.77 53.31,88.07 53.19,88.2 53.19,88.5 53.31,88.63 53.31,88.94 53.19,89.06 53.19,89.37 53.31,89.49 53.31,89.8 53.19,89.93 53.19,90.23 53.84,90.88 54.93,90.88 55.11,90.7 55.11,90.3 v1(54.88,90.07)